# KiCad board lagom.kicad_pcb (continued)
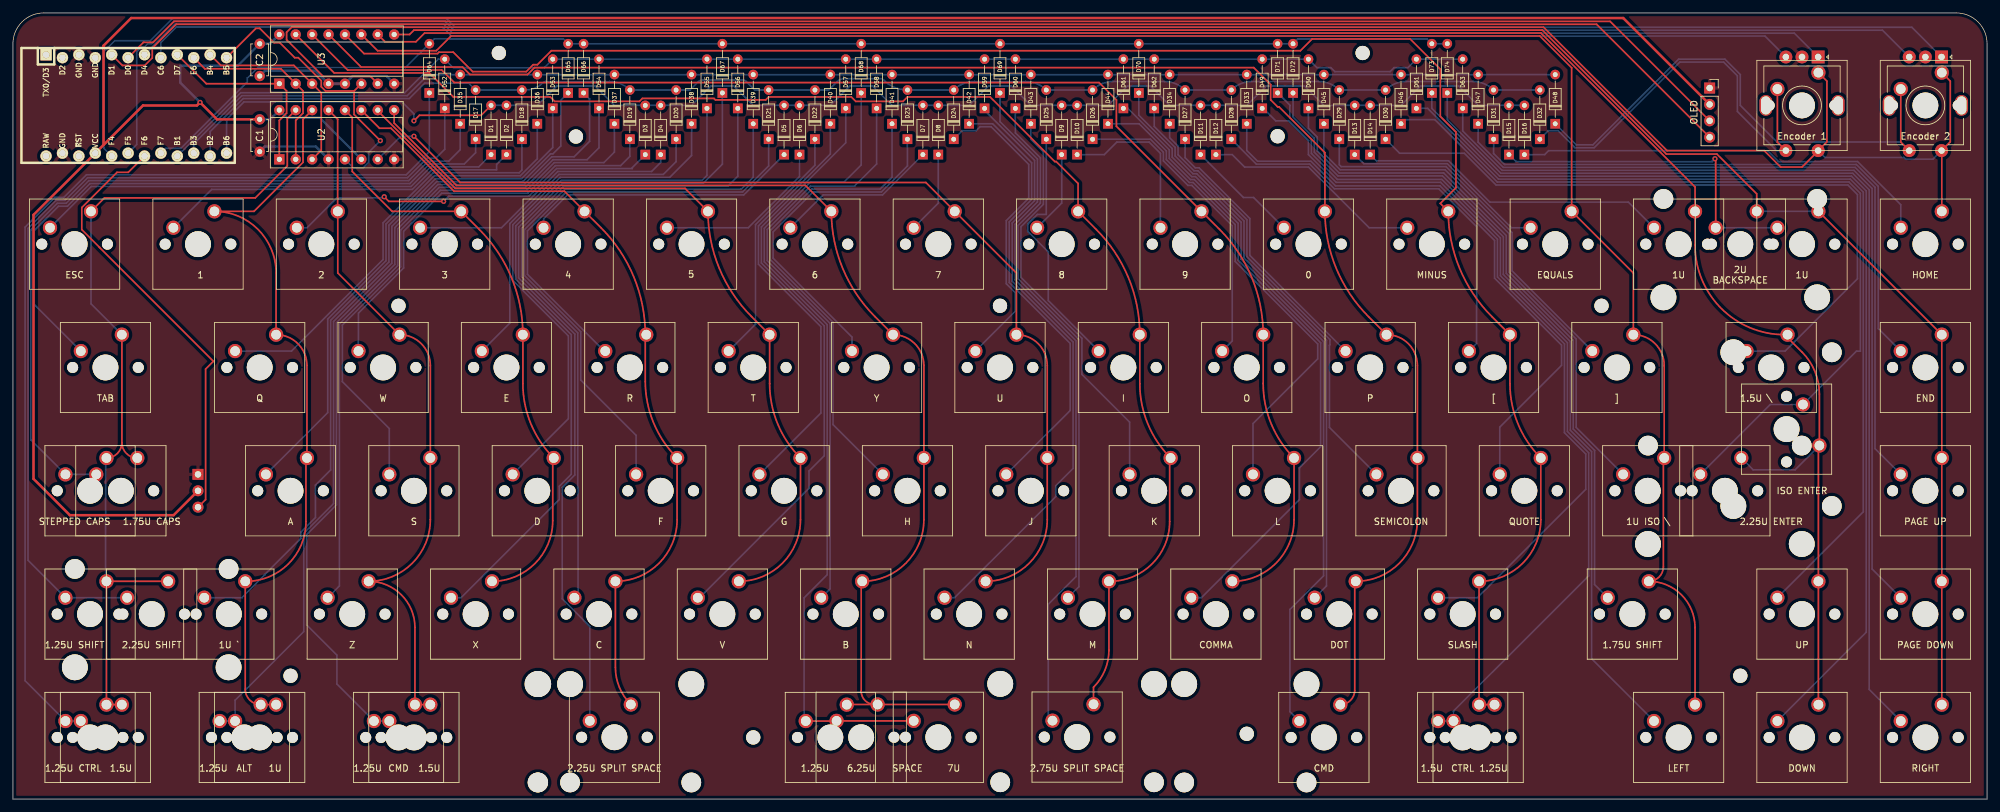
[diagram p0: board, top side]
## Nets (continued)
Net-(D16-Pad1): D16.1 SW_HOME1.2
Net-(D17-Pad1): D17.1 SW_TAB1.2
Net-(D18-Pad1): D18.1 SW_Q1.2
Net-(D19-Pad1): D19.1 SW_W1.2
Net-(D20-Pad1): D20.1 SW_E1.2
Net-(D21-Pad1): D21.1 SW_R1.2
Net-(D22-Pad1): D22.1 SW_T1.2
Net-(D23-Pad1): D23.1 SW_Y1.2
Net-(D24-Pad1): D24.1 SW_U1.2
Net-(D25-Pad1): D25.1 SW_I1.2
Net-(D26-Pad1): D26.1 SW_O1.2
Net-(D27-Pad1): D27.1 SW_P1.2
Net-(D28-Pad1): D28.1 SW_LSQBR1.2
Net-(D29-Pad1): D29.1 SW_RSQBR1.2
Net-(D30-Pad1): D30.1 SW_ANSI_\1.2
Net-(D31-Pad1): D31.1 SW_END1.2
Net-(D33-Pad1): D33.1 SW_QUOTE1.2
Net-(D34-Pad1): D34.1 SW_SEMICOLON1.2
Net-(D35-Pad1): D35.1 SW_CAPS1.2 SW_STEP_CAPS1.2
Net-(D36-Pad1): D36.1 SW_A1.2
Net-(D37-Pad1): D37.1 SW_S1.2
Net-(D38-Pad1): D38.1 SW_D1.2
Net-(D39-Pad1): D39.1 SW_F1.2
Net-(D40-Pad1): D40.1 SW_G1.2
Net-(D41-Pad1): D41.1 SW_H1.2
Net-(D42-Pad1): D42.1 SW_J1.2
Net-(D43-Pad1): D43.1 SW_K1.2
Net-(D44-Pad1): D44.1 SW_L1.2
Net-(D45-Pad1): D45.1 SW_ISO_\1.2
Net-(D46-Pad1): D46.1 SW_ANSI_ENT1.2 SW_ISO_ENT1.2
Net-(D47-Pad1): D47.1 SW_PGUP1.2
Net-(D49-Pad1): D49.1 SW_/1.2
Net-(D50-Pad1): D50.1 SW_RSHIFT1.2
Net-(D51-Pad1): D51.1 SW_UP1.2
Net-(D52-Pad1): D52.1 SW_ISO_LSHF1.2 SW_LSHF1.2
Net-(D53-Pad1): D53.1 SW_ISO_`1.2
Net-(D54-Pad1): D54.1 SW_Z1.2
Net-(D55-Pad1): D55.1 SW_X1.2
Net-(D56-Pad1): D56.1 SW_C1.2
Net-(D57-Pad1): D57.1 SW_V1.2
Net-(D58-Pad1): D58.1 SW_B1.2
Net-(D59-Pad1): D59.1 SW_N1.2
Net-(D60-Pad1): D60.1 SW_M1.2
Net-(D61-Pad1): D61.1 SW_COMMA1.2
Net-(D62-Pad1): D62.1 SW_DOT1.2
Net-(D63-Pad1): D63.1 SW_PGDN1.2
Net-(D64-Pad1): D64.1 SW_LCTRL_1.5U1.2 SW_LCTRL_1.25U1.2
Net-(D65-Pad1): D65.1 SW_LALT_1.25U1.2 SW_LALT_1U1.2
Net-(D66-Pad1): D66.1 SW_LCMD_1.25U1.2 SW_LCOM_1.5U1.2
Net-(D67-Pad1): D67.1 SW_SPL_SPACE_L1.2
Net-(D68-Pad1): D68.1 SW_6.25U_SPACE1.2 SW_7U_SPACE1.2 SW_SPL_SPACE_M1.2
Net-(D69-Pad1): D69.1 SW_SPL_SPACE_R1.2
Net-(D70-Pad1): D70.1 SW_R_CMD1.2
Net-(D71-Pad1): D71.1 SW_R_CTRL_1.5U1.2 SW_R_CTRL_1.25U1.2
Net-(D72-Pad1): D72.1 SW_LEFT1.2
Net-(D73-Pad1): D73.1 SW_DOWN1.2
Net-(D74-Pad1): D74.1 SW_RIGHT1.2

Pads without a net: U1 1 2 22 24

## Via types
v1: diameter 0.8, hole 0.4, Top to Bottom, 7 vias

## Routing (per net, layer and track width the routed paths; a pad name or vN(x,y) marks a point on that pad's centre or on a via; arc(x,y) is an arc through that point)
GND: length 35.1
  Bottom w0.381: U2.4 46.87,101.07 39,101.07 C1.2 ; U3.8 57.83,111.99 52.59,111.99 U3.5 U3.4 46.87,112.79 39,112.79 C2.2 ; 276.95,114.66 SW83.C
VCC: length 428.7
  Top w0.381: J1.2 249.27,120.97 18.31,120.97 14.02,116.68 14.02,101.31 ; C1.1 31.6,105.27 v1(28.96,107.9) 28.5,107.44 20.14,107.44 U1.21 3.18,90.48 3.18,49.6 8.81,43.97 24.87,43.97 J2.2
  Bottom w0.381: U2.6 47.51,105.52 42.43,105.52 U2.16 39.8,105.27 C1.1 ; v1(28.96,107.9) 25.9,110.97 25.9,113.56 34.78,113.56 C2.1 39.8,116.99 U3.16
col0: length 137.6
  Top w0.254: SW_LCTRL_1.5U1.1 SW_LCTRL_1.25U1.1 SW_ISO_LSHF1.1 SW_LSHF1.1 ; SW_ESC1.1 14.17,93.11 37.52,93.11 42.48,98.07 42.48,105.4 U2.15 ; SW_TAB1.1 16.87,55.22 ; 16.87,55.22 arc(17.56,53.53) SW_CAPS1.1 ; 16.87,55.22 arc(16.17,53.53) SW_STEP_CAPS1.1
  Bottom w0.254: 14.34,52.69 14.34,33.87 ; SW_ESC1.1 12.09,76.7 SW_TAB1.1
col1: length 119.4
  Top w0.254: SW_LALT_1U1.1 SW_LALT_1.25U1.1 arc(36.66,15.33) 35.96,17.02 SW_ISO_`1.1 36.12,33.73 arc(42.65,36.44) 45.36,42.97 45.36,52.68 arc(45.41,52.79) SW_A1.1 45.52,67.15 arc(44.12,70.53) SW_Q1.1 40.74,81.48 arc(37.94,88.23) SW_1.1 37.31,91.03 44.9,98.62 44.9,105.29 U2.14
col2: length 111.3
  Top w0.254: U2.13 50.27,105.29 50.27,91.05 SW_2.1 50.29,81.48 SW_W1.1 arc(63.22,70.53) 64.62,67.15 SW_S1.1 64.62,43.28 arc(61.82,36.53) SW_Z1.1 arc(60.13,31.63) 62.23,26.56 SW_LCMD_1.25U1.1 SW_LCOM_1.5U1.1
col3: length 96.4
  Top w0.254: U2.12 52.52,105.58 52.52,97.2 58.7,91.03 SW_3.1 72.19,88.23 arc(77.18,80.75) SW_E1.1 78.94,64.36 arc(80.18,58.12) SW_D1.1 arc(83.61,52.79) 83.56,52.68 83.56,43.13 arc(80.81,36.48) SW_X1.1
col4: length 128.1
  Top w0.2: SW_R1.1 97.89,71.62
  Top w0.254: U2.11 56.75,103.89 58.53,103.89 68.29,94.14 85.38,94.14 SW_4.1 91.03,88.49 arc(96.11,80.89) 97.89,71.94 97.89,64.73 arc(99.17,58.29) SW_F1.1 102.82,43.28 arc(100.02,36.53) SW_C1.1 93.27,20.42 arc(93.89,17.3) SW_SPL_SPACE_L1.1
col5: length 124.7
  Top w0.254: U2.10 56.48,106.59 68.48,94.59 104.03,94.59 SW_5.1 arc(109.35,82.21) 114.34,74.73 SW_T1.1 117.14,64.36 arc(118.38,58.12) SW_G1.1 121.91,43.28 arc(119.12,36.53) SW_V1.1
col6: length 180.8
  Top w0.254: U2.9 59.02,104.69 68.66,95.05 122.67,95.05 SW_6.1 arc(128.45,82.21) 133.44,74.73 SW_Y1.1 arc(139.62,70.53) 141.01,67.15 SW_H1.1 141.01,43.28 arc(138.22,36.53) SW_B1.1 arc(131.36,33.69) 131.31,33.58 131.31,16.71 arc(131.92,15.26) 133.37,14.66 ; SW_7U_SPACE1.1 SW_6.25U_SPACE1.1 129.14,14.66 arc(129.11,14.65) SW_SPL_SPACE_M1.1
col7: length 165
  Top w0.254: v1(62.07,102.66) 69.24,95.5 141.32,95.5 SW_7.1 155.34,81.48 SW_U1.1 arc(158.72,70.53) 160.11,67.15 SW_J1.1 160.11,43.28 arc(157.32,36.53) SW_N1.1
  Bottom w0.254: U2.7 60.05,102.66 v1(62.07,102.66)
col8: length 223.1
  Top w0.254: U3.15 49.73,112.47 64.46,112.47 68.18,108.75 83.18,108.75 83.87,108.06 96.98,108.06 97.44,108.51 108.53,108.51 108.75,108.29 116.53,108.29 116.99,108.75 129.78,108.75 130.47,108.06 137.78,108.06 138.47,108.75 151.27,108.75 161.27,98.74 161.5,98.74 164.89,95.35 SW_8.1 167.69,88.23 arc(172.68,80.75) SW_I1.1 174.44,64.36 arc(175.68,58.12) SW_K1.1 arc(179.11,52.79) 179.06,52.68 179.06,42.97 arc(176.35,36.44) 169.82,33.73 SW_M1.1 169.66,23.09 arc(169.04,19.97) 167.28,17.33 SW_SPL_SPACE_R1.1
col9: length 218.4
  Top w0.254: U3.14 51.82,112.92 66.38,112.92 68.32,110.97 168.13,110.97 170.82,108.28 170.82,104.2 SW_9.1 186.79,88.23 arc(191.78,80.75) SW_O1.1 193.54,64.36 arc(194.78,58.12) SW_L1.1 198.31,43.28 arc(195.52,36.53) SW_COMMA1.1
col10: length 262.1
  Top w0.254: U3.13 53.9,113.37 69.6,113.37 70.76,112.21 79.65,112.21 80.73,113.29 192.08,113.29 194.7,110.67 194.7,108.29 195.78,107.21 196,107.21 203.09,100.12 SW_0.1 arc(204.85,82.21) 209.84,74.73 SW_P1.1 arc(216.02,70.53) 217.41,67.15 SW_SEMICOLON1.1 217.41,43.28 arc(214.62,36.53) SW_DOT1.1 arc(207.76,33.69) 207.71,33.58 207.71,16.86 arc(207.06,15.28) SW_R_CMD1.1
col11: length 289.2
  Top w0.254: SW_R_CTRL_1.25U1.1 SW_R_CTRL_1.5U1.1 SW_/1.1 arc(233.72,36.53) 236.52,43.28 SW_QUOTE1.1 arc(232.98,58.12) 231.74,64.36 SW_LSQBR1.1 228.94,74.73 arc(223.95,82.21) SW_MINUS1.1 220.96,92.26 223.39,94.68 223.39,103.31 220.96,105.74 220.96,113.05 216.28,117.73 201.12,117.73 199.3,115.91 83.35,115.91 81.18,113.74 80.54,113.74 79.47,112.67 71.17,112.67 68.16,115.68 65.95,115.68 65.73,115.46 54.36,115.46 U3.12
col12: length 302.1
  Top w0.254: SW_LEFT1.1 260.39,26.57 arc(258.29,31.63) SW_RSHIFT1.1 arc(254.83,34.39) 255.49,35.99 255.49,52.53 arc(255.52,52.69) SW_ISO_\1.1 255.61,67.15 arc(254.22,70.53) SW_RSQBR1.1 250.84,81.48 SW_EQUAL1.1 241.29,113.26 236.36,118.19 67.81,118.19 65.54,115.91 56.45,115.91 U3.11
col13: length 319.4
  Top w0.254: U3.10 57.6,117.29 62.38,117.29 63.73,118.64 236.55,118.64 260.39,94.8 SW_BCKSP_1U1.1 260.39,85.8 arc(264.45,75.99) 274.26,71.93 SW_ANSI_\1.1 arc(274.8,71.51) 275.04,71.15 276.95,69.24 arc(278.94,66.26) 279.64,62.74 SW_ISO_ENT1.1 arc(279.53,54.59) 279.49,54.39 SW_UP1.1 SW_DOWN1.1
  Bottom w0.254: SW_ISO_ENT1.1 275.88,50.99 269.39,50.99 SW_ANSI_ENT1.1
col14: length 318.3
  Top w0.254: SW_DEL1.1 SW_END1.1 SW_PGUP1.1 SW_PGDN1.1 SW_RIGHT1.1 ; SW_BCKSP1.1 269.94,93.74 263.78,99.9 255.95,99.9 236.76,119.09 62.07,119.09 61.4,118.42 U3.9
  Bottom w0.254: SW_DEL1.1 SW_BCKSP1.1
encA: length 263.2
  Bottom w0.254: U1.7 25.11,120.03 66.66,120.03 68.06,118.63 275.76,118.63 SW83.A
encB: length 256.8
  Bottom w0.254: SW83.B 271.21,118.17 67.88,118.17 66.47,119.57 25.3,119.57 22.91,117.18 U1.8
encC: length 305.8
  Bottom w0.254: U1.20 14.09,100.79 14.09,115.78 15.76,117.46 21.26,117.46 24.74,120.94 67.06,120.94 68.46,119.54 293.95,119.54 SW84.A
encD: length 294.9
  Bottom w0.254: SW84.B 289.41,119.08 68.28,119.08 66.88,120.48 24.92,120.48 21.43,116.99 20.87,116.99 20.37,116.49 19.87,116.49 19.17,115.78 19.17,101.38 U1.19
LED: length 68.8
  Top w0.254: U1.18 17.85,97.07 16.11,97.07 10.66,91.62 10.66,88.2 13.4,85.46 13.4,85.44 31.04,67.81 29.83,66.6 29.83,46.39 J2.3
mux0: length 30.3
  Top w0.254: U2.1 41.24,105.11 42.36,106.24 42.36,109.67 U3.1 29.94,110.8 U1.9
mux1: length 30.1
  Top w0.254: U2.2 43.78,105.11 44.9,106.24 44.9,109.67 U3.2 41.46,113.11 29.7,113.11 U1.10
mux2: length 30.5
  Top w0.254: U1.11 32.19,113.63 43.49,113.63 U3.3 47.73,109.39 47.73,100.5 U2.3
mux3: length 45.8
  Top w0.254: v1(56.88,101.97) 52.81,106.04 52.81,109.67 ; U3.6 52.81,109.67 ; 52.81,109.67 48.39,109.67 47.73,110.33 47.73,111.27 44.17,114.83 43.62,114.83 41.3,117.14 40.43,117.14 38.2,119.37 37.62,119.37 U1.12
  Bottom w0.254: v1(56.88,101.97) 55.06,100.16 55.06,98.62 54.22,97.77 52.71,97.77 U2.5
RotA: length 64.2
  Top w0.254: SW83.S1 273.14,101.75 SW_ENC1.2
  Bottom w0.254: D32.1 237.67,103.52 239.19,103.52 241.82,100.88 244.77,100.88 258.04,114.15 264.82,114.15 266.95,112.02 266.95,106.5 273.01,100.44 SW83.S1
RotB: length 321.6
  Top w0.254: SW_ENC1.1 280.8,111.2 280.8,101.79 SW83.S2 279.45,100.39 276.95,97.89 273.65,97.89 271.1,100.44 256.05,100.44 236.94,119.55 43.15,119.55 42.36,118.76 42.36,117.6 48.04,111.93 55.35,111.93 U3.7 ; SW_ENC2.1 299.9,111.2 299.9,101.79 SW84.S2 arc(298.58,100.43) 298.59,100.4 SW_HOME1.1
  Bottom w0.254: SW83.S2 280.51,99.37 292.74,99.37 293,99.11 297.22,99.11 SW84.S2
RotC: length 80.4
  Top w0.254: SW84.S1 292.24,101.75 SW_ENC2.2
  Bottom w0.254: SW84.S1 292.21,101.77 273.06,101.77 267.4,107.44 267.4,112.21 265.01,114.6 257.85,114.6 244.58,101.33 242.01,101.33 D48.1
row0: length 227.5
  Top w0.254: v1(62.07,105.05) 62.93,105.9 72.48,105.9 D1.2
  Bottom w0.254: D1.2 D2.2 81.17,107.44 84.18,110.44 90.11,110.44 93.11,107.44 D3.2 D4.2 105.05,107.44 108.06,110.44 111.59,110.44 114.6,107.44 D5.2 D6.2 126.54,107.44 129.54,110.44 133.08,110.44 136.09,107.44 D7.2 D8.2 148.03,107.44 151.03,110.44 154.57,110.44 157.57,107.44 D9.2 D10.2 169.51,107.44 172.52,110.44 176.06,110.44 179.06,107.44 D11.2 D12.2 191,107.44 194.01,110.44 199.93,110.44 202.94,107.44 D13.2 D14.2 214.87,107.44 217.88,110.44 223.81,110.44 226.81,107.44 D15.2 D16.2 ; U1.13 33.07,105.28 35.76,107.97 60.23,107.97 62.07,106.12 v1(62.07,105.05)
row1: length 219.1
  Bottom w0.254: D32.2 D31.2 arc(227.75,110.8) 226.03,111.14 215.65,111.14 arc(213.94,110.8) D30.2 D29.2 arc(203.87,110.8) 202.16,111.14 191.78,111.14 arc(190.06,110.8) D28.2 D27.2 arc(180,110.8) 178.28,111.14 170.29,111.14 arc(168.58,110.8) D26.2 D25.2 arc(158.51,110.8) 156.8,111.14 148.8,111.14 arc(147.09,110.8) D24.2 D23.2 arc(136.49,110.22) 134.8,111.35 134.57,111.57 128.67,111.57 arc(128.1,111.46) 127.61,111.14 126.3,109.82 D22.2 D21.2 114.83,109.82 113.43,111.23 arc(113.27,111.34) 113.07,111.37 106.67,111.37 arc(106.39,111.32) 106.15,111.16 104.82,109.82 D20.2 D19.2 arc(94.05,110.8) 92.33,111.14 82.49,111.14 arc(82.27,111.09) 82.08,110.97 arc(80.82,110.12) 79.33,109.82 D18.2 D17.2 70.55,110.9 63.76,110.9 61.35,108.5 35.64,108.5 30.53,103.39 U1.14
row2: length 216.6
  Bottom w0.254: D48.2 D47.2 D46.2 D45.2 D33.2 D44.2 D43.2 D42.2 D41.2 D40.2 D39.2 D38.2 D37.2 D36.2 D35.2 64.31,112.21 61.05,108.95 35.45,108.95 27.99,101.49 U1.15
row3: length 208.2
  Bottom w0.254: U1.16 25.45,100.15 25.64,100.34 26.2,100.34 35.26,109.4 60.65,109.4 65.85,114.6 D52.2 68.16,113.29 70.28,113.29 70.31,113.25 80.06,113.25 80.1,113.29 82.25,113.29 D53.2 D54.2 D55.2 D56.2 D57.2 D58.2 D59.2 D60.2 D61.2 D62.2 D49.2 D50.2 201.86,113.29 204.01,113.29 204.64,112.67 213.18,112.67 213.8,113.29 215.95,113.29 D51.2 D63.2
row4: length 207.7
  Bottom w0.254: U1.17 23.66,100.79 26.01,100.79 36.27,111.06 36.27,111.66 37.92,113.3 60.78,113.3 D64.2 65.23,117.75 67.65,117.75 67.69,117.72 85.22,117.72 D65.2 D66.2 D67.2 D68.2 D69.2 D70.2 D71.2 D72.2 198.9,117.72 218.92,117.72 D73.2 D74.2
SCL: length 253.5
  Top w0.254: U1.6 20.21,117.21 21.71,117.21 24.95,120.45 247.25,120.45 J1.3
SDA: length 258.8
  Top w0.254: J1.4 245.16,120 25.27,120 21.57,116.3 21.57,114.79 20.41,113.63 16.95,113.63 U1.5
Net-(D1-Pad1): length 73
  Bottom w0.254: 5.74,88.49 12.13,94.88 61.64,94.88 64.67,97.91 72.11,97.91 D1.1
Net-(D2-Pad1): length 56.7
  Bottom w0.254: 24.84,88.49 30.77,94.42 61.83,94.42 64.86,97.46 74.88,97.46 74.88,98.29 D2.1
Net-(D3-Pad1): length 59.3
  Top w0.254: v1(57.47,93.28) 58.18,92.57 v1(66.68,92.57)
  Bottom w0.254: D3.1 95.88,97.8 95.88,97.66 84.16,97.66 79.88,93.37 67.47,93.37 v1(66.68,92.57) ; v1(57.47,93.28) 57.3,93.11 50.14,93.11 45.52,88.49 43.94,88.49
Net-(D4-Pad1): length 42.6
  Bottom w0.254: 63.04,88.49 75.63,88.49 84.35,97.2 98.88,97.2 100.28,98.6 D4.1
Net-(D5-Pad1): length 42.7
  Bottom w0.254: D5.1 113.13,93.57 85.85,93.57 82.14,89.87 82.14,88.49
Net-(D6-Pad1): length 27.2
  Bottom w0.254: D6.1 121.76,96.42 113.83,88.49 101.24,88.49
Net-(D7-Pad1): length 25.2
  Bottom w0.254: 120.34,88.49 125.42,93.57 134.62,93.57 D7.1
Net-(D8-Pad1): length 12.9
  Bottom w0.254: D8.1 143.25,92.3 139.44,88.49
Net-(D9-Pad1): length 12.9
  Bottom w0.254: D9.1 162.35,92.3 158.54,88.49
Net-(D10-Pad1): length 25.9
  Bottom w0.254: D10.1 168.94,99.82 170.88,101.75 175.89,101.75 177.64,100 177.64,88.49
Net-(D11-Pad1): length 17.6
  Bottom w0.254: 196.74,88.49 192.06,93.17 190.48,93.17 D11.1
Net-(D12-Pad1): length 34.3
  Bottom w0.254: D12.1 188.74,99.82 190.67,97.89 200.55,97.89 209.95,88.49 215.84,88.49
Net-(D13-Pad1): length 31.9
  Bottom w0.254: 234.94,88.49 231.96,88.49 222.04,98.41 209.12,98.41 D13.1
Net-(D14-Pad1): length 48.6
  Bottom w0.254: 254.04,88.49 250.07,92.46 228.63,92.46 222.23,98.86 211.06,98.86 D14.1
Net-(D15-Pad1): length 52.8
  Top w0.254: 263.59,88.49 263.59,99.06 v1(263.48,99.17)
  Bottom w0.254: 263.59,88.49 273.14,88.49 ; D15.1 232.66,98.74 263.04,98.74 v1(263.48,99.17)
Net-(D16-Pad1): length 65.5
  Bottom w0.254: D16.1 237.12,99.82 237.73,100.43 271.62,100.43 273.31,98.74 285.55,98.74 292.24,92.05 292.24,88.49
Net-(D17-Pad1): length 97.1
  Bottom w0.254: D17.1 71.62,100.11 69.88,98.36 64.48,98.36 61.45,95.33 11.94,95.33 8.43,91.82 7.05,91.82 3.24,88.01 3.24,76.66 SW_TAB1.2
Net-(D18-Pad1): length 64.1
  Bottom w0.254: SW_Q1.2 43.13,69.39 57.3,83.56 57.3,89.26 65.05,97 78.37,97 78.79,97.42 D18.1
Net-(D19-Pad1): length 63.9
  Bottom w0.254: SW_W1.2 53.49,75.26 60.48,82.25 60.48,87.94 66.36,93.83 79.69,93.83 83.97,98.11 94.07,98.11 95.5,99.54 D19.1
Net-(D20-Pad1): length 54.7
  Bottom w0.254: D20.1 102.66,98.74 100.67,96.75 84.53,96.75 76.92,89.14 76.92,73.72 SW_E1.2
Net-(D21-Pad1): length 69.3
  Bottom w0.254: D21.1 116.99,98.07 112.94,94.03 85.66,94.03 79.64,88.01 79.64,81.28 91.54,69.39 SW_R1.2
Net-(D22-Pad1): length 38.3
  Bottom w0.254: SW_T1.2 114.95,73.55 114.95,88.97 124.15,98.17 D22.1
Net-(D23-Pad1): length 52.7
  Bottom w0.254: SW_Y1.2 129.89,71.56 117.67,83.77 117.67,87.84 123.86,94.03 134.43,94.03 138.47,98.07 D23.1
Net-(D24-Pad1): length 48.3
  Bottom w0.254: SW_U1.2 155.19,75.59 155.19,78.41 153.78,79.82 153.78,89.59 157.24,93.06 157.24,98.31 151.41,104.14 149.72,104.14 149.1,103.52 146.95,103.52 D24.1
Net-(D25-Pad1): length 39.3
  Bottom w0.254: D25.1 159.96,90.55 158.59,90.55 157.11,89.08 157.11,87.9 160.28,84.74 160.28,77.2 SW_I1.2
Net-(D26-Pad1): length 48
  Bottom w0.254: D26.1 176.08,102.2 178.09,100.19 178.09,98.86 181.9,95.05 182.5,95.05 188.75,88.79 188.75,70.95 SW_O1.2
Net-(D27-Pad1): length 43.5
  Bottom w0.254: D27.1 181.45,99.35 183.03,97.77 183.63,97.77 191.47,89.92 191.47,84.2 SW_P1.2
Net-(D28-Pad1): length 63.3
  Bottom w0.254: 225.39,69.39 226.57,70.57 226.57,88.67 220.72,94.52 204.56,94.52 200.74,98.34 192.48,98.34 D28.1
Net-(D29-Pad1): length 58.6
  Bottom w0.254: SW_RSQBR1.2 232.08,81.8 232.08,87.73 221.85,97.95 205.61,97.95 205.33,98.24 D29.1
Net-(D30-Pad1): length 111.1
  Bottom w0.254: 268.7,69.39 274.34,69.39 285.53,80.58 285.53,93.63 284.05,95.11 229.59,95.11 224.67,100.02 214.67,100.02 D30.1
Net-(D31-Pad1): length 90.8
  Bottom w0.254: D31.1 229.2,99.99 230.9,98.29 285.36,98.29 288.75,94.9 288.75,72.88 SW_END1.2
Net-(D33-Pad1): length 92.8
  Bottom w0.254: D33.1 191,100.46 192.66,98.79 200.93,98.79 204.75,94.97 220.91,94.97 229.35,86.53 229.35,80.68 239.73,70.31 239.73,67.17 230.16,57.61 230.16,50.29
Net-(D34-Pad1): length 68
  Bottom w0.254: D34.1 179.06,102.43 180.36,101.13 180.36,99.8 182.84,97.31 183.44,97.31 191.02,89.73 191.02,84.02 203.87,71.16 203.87,70.37 203.79,70.29 203.79,57.56 211.06,50.29
Net-(D35-Pad1): length 120.5
  Bottom w0.254: D35.1 69.24,100.58 67.47,98.82 64.29,98.82 61.26,95.78 11.75,95.78 8.24,92.27 6.87,92.27 2.79,88.2 2.79,55.63 8.13,50.29 12.9,50.29
Net-(D36-Pad1): length 79.5
  Bottom w0.254: 39.16,50.29 48.73,59.85 48.73,74.35 57.75,83.38 57.75,89.07 65.23,96.55 78.56,96.55 81.17,99.16 D36.1
Net-(D37-Pad1): length 87.1
  Bottom w0.254: D37.1 93.11,100.21 91.47,98.57 83.79,98.57 79.5,94.28 66.17,94.28 60.02,88.13 60.02,82.44 50.99,73.41 50.99,64.66 58.27,57.38 58.27,50.29
Net-(D38-Pad1): length 82.8
  Bottom w0.254: 77.36,50.29 85.98,58.9 85.98,71.74 77.38,80.34 77.38,88.95 84.72,96.3 101.67,96.3 105.05,99.67 D38.1
Net-(D39-Pad1): length 92.1
  Bottom w0.254: D39.1 114.6,96.33 112.76,94.48 85.47,94.48 79.19,88.2 79.19,81.1 87.89,72.39 87.89,64.91 96.47,56.33 96.47,50.29
Net-(D40-Pad1): length 66.9
  Bottom w0.254: 115.56,50.29 125.07,59.8 125.07,73.17 115.41,82.84 115.41,88.78 126.54,99.91 D40.1
Net-(D41-Pad1): length 75.5
  Bottom w0.254: D41.1 136.09,96.33 134.24,94.48 123.67,94.48 117.22,88.03 117.22,83.59 126.95,73.85 126.95,58 134.66,50.29
Net-(D42-Pad1): length 69.9
  Bottom w0.254: 153.76,50.29 163.66,60.19 163.66,70.57 154.23,80.01 154.23,89.4 157.69,92.87 157.69,98.56 151.66,104.59 D42.1
Net-(D43-Pad1): length 63.5
  Bottom w0.254: 172.86,50.29 172.86,58.38 165.47,65.77 165.47,71.36 156.04,80.8 156.04,88.65 159.51,92.12 159.51,100.27 157.57,102.21 D43.1
Net-(D44-Pad1): length 75.1
  Bottom w0.254: D44.1 174.33,104.59 178.55,100.38 178.55,99.04 182.09,95.5 182.69,95.5 189.21,88.98 189.21,83.27 201.98,70.49 201.98,68.17 191.97,58.16 191.97,50.29
Net-(D45-Pad1): length 83
  Bottom w0.254: 249.27,50.29 241.99,57.56 241.99,71.25 231.62,81.62 231.62,87.55 221.69,97.47 205.45,97.47 202.94,99.99 D45.1
Net-(D46-Pad1): length 133.2
  Bottom w0.254: D46.1 215.52,105.23 220.11,105.23 229.78,95.57 284.24,95.57 285.99,93.82 285.99,69.37 285.37,69.37 SW_ISO_ENT1.2 272.02,61.11 261.2,50.29
Net-(D47-Pad1): length 113.3
  Bottom w0.254: 292.24,50.29 288.25,54.28 288.25,94.75 285.17,97.83 230.71,97.83 226.81,101.74 D47.1
Net-(D49-Pad1): length 120.3
  Bottom w0.254: D49.1 193.55,106.98 195.48,105.05 197.48,105.05 200.55,101.98 200.55,99.81 204.84,95.52 221,95.52 229.81,86.72 229.81,80.87 240.18,70.49 240.18,56.75 243.47,53.45 243.47,47.97 226.69,31.19 SW_/1.2
Net-(D50-Pad1): length 104.5
  Bottom w0.254: 244.87,53.97 241.54,57.31 241.54,71.06 231.17,81.43 231.17,87.28 221.47,96.97 205.31,96.97 201.91,100.38 201.91,102.54 200.55,103.9 D50.1 ; SW_RSHIFT1.2 244.83,33.23 244.83,54.02
Net-(D51-Pad1): length 142.9
  Bottom w0.254: SW_UP1.2 286.44,44.49 286.44,94 284.42,96.02 229.96,96.02 219,106.98 D51.1
Net-(D52-Pad1): length 145.1
  Bottom w0.254: D52.1 66.85,100.65 65.47,99.27 64.11,99.27 61.07,96.24 11.56,96.24 8.05,92.73 6.68,92.73 2.34,88.39 2.34,36.98 SW_ISO_LSHF1.2 SW_LSHF1.2
Net-(D53-Pad1): length 109.4
  Bottom w0.254: D53.1 83.56,100.91 78.75,96.1 65.42,96.1 58.21,88.88 58.21,83.19 49.18,74.16 49.18,50.97 46.83,48.62 46.83,43.6 44.57,41.34 44.57,40.37 38.97,34.77 38.97,34.72 35.44,31.19 SW_ISO_`1.2
Net-(D54-Pad1): length 104.1
  Bottom w0.254: D54.1 90.72,100.88 88.88,99.03 83.61,99.03 79.31,94.74 65.99,94.74 59.57,88.32 59.57,82.62 50.54,73.6 50.54,33.01 SW_Z1.2
Net-(D55-Pad1): length 113
  Bottom w0.254: SW_X1.2 69.37,31.19 84.57,46.39 84.57,48.45 86.43,50.3 86.43,71.93 77.83,80.53 77.83,88.76 84.91,95.84 106.69,95.84 107.44,96.59 D55.1
Net-(D56-Pad1): length 108.4
  Bottom w0.254: SW_C1.2 87.48,31.76 87.48,48.26 87.44,48.3 87.44,72.21 78.74,80.91 78.74,88.39 85.29,94.94 110.67,94.94 112.21,96.47 D56.1
Net-(D57-Pad1): length 93.5
  Bottom w0.254: SW_V1.2 106.29,31.19 123.23,48.13 123.23,50.81 125.59,53.17 125.59,73.29 115.86,83.02 115.86,88.59 128.92,101.66 D57.1
Net-(D58-Pad1): length 91.4
  Bottom w0.254: D58.1 133.7,98.36 130.28,94.94 123.49,94.94 116.77,88.22 116.77,83.4 126.5,73.67 126.5,32.58 SW_B1.2
Net-(D59-Pad1): length 93.5
  Bottom w0.254: SW_N1.2 145.77,31.19 161.43,46.85 161.43,48.53 164.11,51.21 164.11,70.8 154.68,80.23 154.68,89.22 158.15,92.68 158.15,98.93 150.41,106.67 D59.1
Net-(D60-Pad1): length 83.4
  Bottom w0.254: D60.1 155.19,103.18 159.06,99.31 159.06,92.31 155.59,88.84 155.59,80.61 165.02,71.18 165.02,32.9 SW_M1.2
Net-(D61-Pad1): length 98.4
  Bottom w0.254: D61.1 172.59,106.98 179,100.57 179,99.23 182.28,95.95 182.88,95.95 189.66,89.17 189.66,83.45 202.43,70.68 202.43,54.57 199.16,51.3 199.16,46.37 183.97,31.19 SW_COMMA1.2
Net-(D62-Pad1): length 87.9
  Bottom w0.254: SW_DOT1.2 203.34,33.01 203.34,71.06 190.57,83.83 190.57,89.54 183.25,96.86 182.65,96.86 179.91,99.61 179.91,100.94 176.67,104.17 D62.1
Net-(D63-Pad1): length 135.8
  Bottom w0.254: D63.1 224.42,103.48 230.53,97.38 284.99,97.38 287.8,94.57 287.8,35.63 SW_PGDN1.2
Net-(D64-Pad1): length 158
  Bottom w0.254: D64.1 64.46,100.27 60.89,96.69 11.38,96.69 7.87,93.18 6.49,93.18 1.88,88.57 1.88,18.33 SW_LCTRL_1.25U1.2 SW_LCTRL_1.5U1.2
Net-(D65-Pad1): length 129
  Bottom w0.254: SW_LALT_1.25U1.2 SW_LALT_1U1.2 34.39,15.31 45.02,25.94 45.02,41.15 49.63,45.76 49.63,73.97 58.66,83 58.66,88.69 65.61,95.64 78.94,95.64 83.23,99.94 83.6,99.94 84.81,101.15 84.81,108.23 D65.1
Net-(D66-Pad1): length 132.3
  Bottom w0.254: D66.1 89.26,108.44 89.26,101.87 86.88,99.48 83.42,99.48 79.13,95.19 65.8,95.19 59.11,88.51 59.11,82.81 50.09,73.78 50.09,45.57 45.48,40.96 45.48,26.97 50.15,22.3 50.15,17.83 SW_LCMD_1.25U1.2 SW_LCOM_1.5U1.2
Net-(D67-Pad1): length 129.3
  Bottom w0.254: D67.1 109.82,98.34 106.88,95.39 85.1,95.39 78.28,88.57 78.28,80.72 86.99,72.02 86.99,50.22 85.03,48.26 85.03,31.02 88.35,27.7 88.35,27.67 89.3,26.71 SW_SPL_SPACE_L1.2
Net-(D68-Pad1): length 128.9
  Top w0.254: SW_SPL_SPACE_M1.2 127.48,12.09 SW_6.25U_SPACE1.2 SW_7U_SPACE1.2
  Bottom w0.254: SW_SPL_SPACE_M1.2 122.47,12.34 122.47,31.17 126.05,34.75 126.05,73.48 116.31,83.21 116.31,88.41 123.48,95.57 128.67,95.57 131.31,98.21 D68.1
Net-(D69-Pad1): length 107
  Bottom w0.254: SW_SPL_SPACE_R1.2 160.28,12.8 160.28,30.17 164.57,34.46 164.57,70.99 155.14,80.42 155.14,89.03 158.6,92.49 158.6,99.12 152.8,104.92 D69.1
Net-(D70-Pad1): length 112.2
  Bottom w0.254: D70.1 174.29,105.92 179.45,100.75 179.45,99.42 182.47,96.41 183.06,96.41 190.11,89.36 190.11,83.64 202.89,70.87 202.89,34.58 197.67,29.37 197.67,13.54 SW_R_CMD1.2
Net-(D71-Pad1): length 137.8
  Bottom w0.254: D71.1 197.71,107.43 197.66,107.39 197.66,105.5 201,102.16 201,100 205.03,95.97 221.19,95.97 230.26,86.91 230.26,81.05 240.63,70.68 240.63,56.93 243.93,53.64 243.93,34.57 223,13.65 SW_R_CTRL_1.25U1.2 SW_R_CTRL_1.5U1.2
Net-(D72-Pad1): length 129.9
  Bottom w0.254: SW_LEFT1.2 244.38,21.75 244.38,53.83 241.09,57.12 241.09,70.87 230.71,81.24 230.71,87.09 221.29,96.52 205.12,96.52 201.46,100.19 201.46,102.35 198.16,105.65 D72.1
Net-(D73-Pad1): length 162.7
  Bottom w0.254: SW_DOWN1.2 286.89,25.84 286.89,94.19 284.61,96.47 230.15,96.47 219.65,106.97 D73.1
Net-(D74-Pad1): length 158.3
  Bottom w0.254: D74.1 222.04,105.23 230.34,96.93 284.8,96.93 287.35,94.38 287.35,16.98 SW_RIGHT1.2

## Copper pours and planes (outline as drawn; the poured copper is in the pictures)
GND on Top: 312.47,127.83 315.56,-9.91 -4.3,-10.43 -6.35,128.35
GND on Bottom: 321.24,-13.01 -15.12,-15.59 -12.03,130.94 -8.93,131.96 218.58,128.35 319.7,131.96

## Text on the board
B.Silkscreen: LED | JLCJLCJLCJLC | STHLM KB lagom v1 / design by mohoyt
F.Mask: lagom v1
F.Silkscreen: 1.25U | ESC | STEPPED CAPS | 1.25U SHIFT | CTRL | TAB | 1.5U | 1.75U CAPS | 2.25U SHIFT | 1 | 1U ` | ALT | Q | 1U | A | 2 | Z | W | CMD | S | 3 | X | E | D | 4 | C | 2.25U SPLIT SPACE | R | F | 5 | V | T | G | 6 | B | 6.25U | Y | H | SPACE | 7 | 7U | N | U | J | 8 | 2.75U SPLIT SPACE | M | I | K | 9 | COMMA | O | L | 0 | DOT | P | SEMICOLON | MINUS | SLASH | [ | QUOTE | EQUALS | ] | 1.75U SHIFT | 1U ISO \ | LEFT | 2U / BACKSPACE | 1.5U \ | 2.25U ENTER | Encoder 1 | ISO ENTER | UP | DOWN | Encoder 2 | HOME | END | PAGE UP | PAGE DOWN | RIGHT | OLED
